# Altium PCB 28Pins_Project_V1I1_PCB - Copy.PcbDoc (part 2 of 2)
Units mm, origin at the board's own origin, x right, y up, seen from the top; angles counter-clockwise.
Board outline 68.58 x 53.34 mm, 2 copper layers (L1, L2), stack 1.671 mm thick; 105 components, 73 nets, 322 pads, 118 vias.
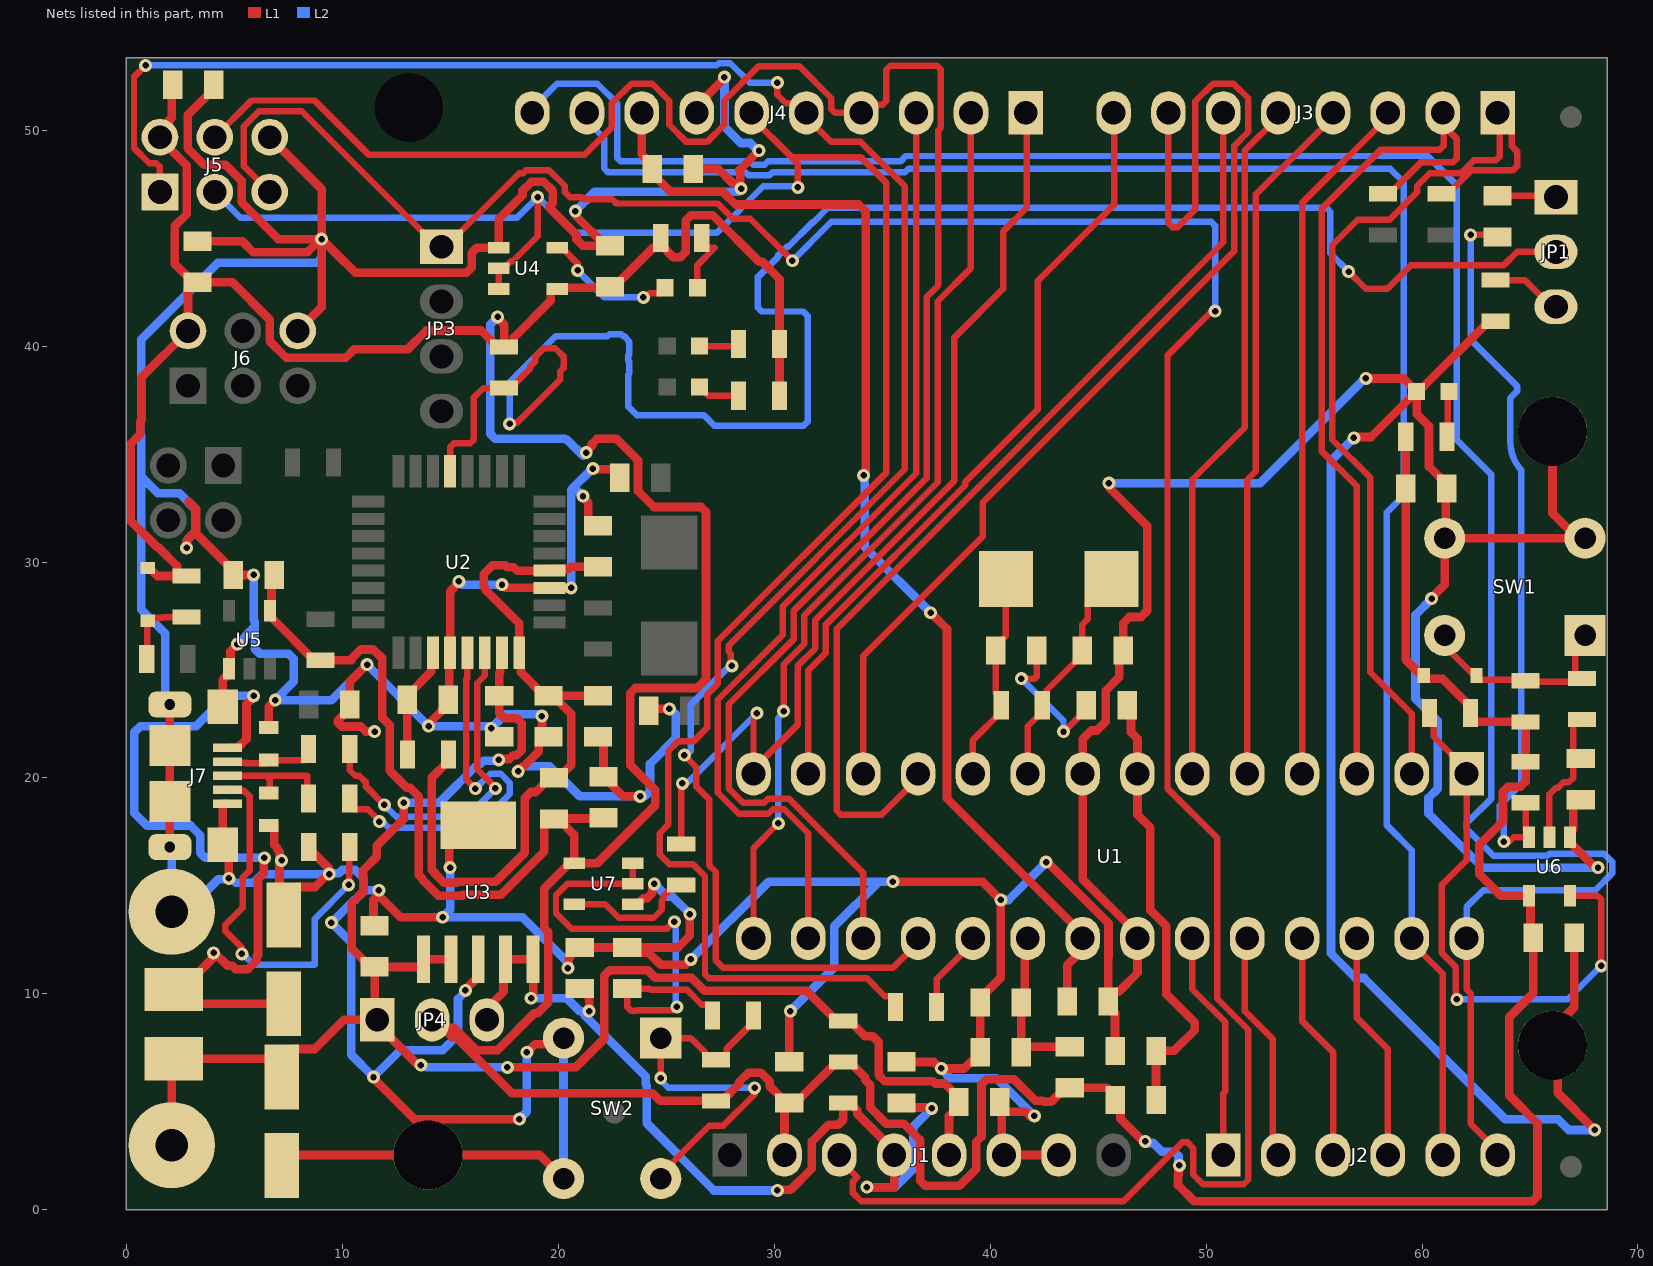
[diagram p2: the nets of this part, all layers, seen from the top]

## Via types
v1: diameter 0.6, hole 0.3, L1 to L2, 118 vias

## Nets (pads, with @x,y where several pads share a name; then routed paths per layer and width w, separated by ;. In a path a pad name is that pad's centre, name@x,y a point inside that pad or via, vN(x,y) a via of type N, cw(c..) or ccw(c..) an arc to the next point about the centre after c; other vN are vias at no path point) (continued)
16U2PROG_328P_RESETn: JP1.2 R1.1 U2.13 | length 84.9
  L1 w0.3: U2.13@15,34.2 15,35.324 15.176,35.5 15.924,35.5 16.1,35.676 16.1,37.624 16.526,38.05 17.8,38.05 18.696,38.946 18.696,39.054 18.95,39.307 18.95,39.519 19.331,39.9 19.869,39.9 20.25,39.519 20.25,38.981 20.1,38.831 20.1,38.448 18.109,36.457 17.807,36.457 v1(17.75,36.4) ; v1(56.6,43.45) 57.4,42.65 58.15,42.65 ; 58.151,42.649 58.399,42.649 59.5,43.75 63.795,43.75 64.405,44.36 JP1.2@66.2,44.36
  L2 w0.3: v1(17.75,36.4) 17.75,38.319 19.881,40.45 22.281,40.45 22.381,40.55 22.919,40.55 23.019,40.45 23.074,40.45 23.25,40.274 23.25,40.219 23.3,40.169 23.3,39.631 23.25,39.581 23.25,39.319 23.3,39.269 23.3,38.731 23.25,38.681 23.25,37.2 23.65,36.8 26.75,36.8 27.25,36.3 31.35,36.3 31.55,36.5 31.55,41.4 31.35,41.6 29.426,41.6 29.25,41.776 29.25,43.2 30.2,44.15 30.2,44.219 30.581,44.6 30.65,44.6 31.75,45.7 31.783,45.7 32.483,46.4 55.574,46.4 55.75,46.224 55.75,44.3 v1(56.6,43.45)
"328P RESETn": J1.3 J5.5 JP3.1 | length 125.9
  L1 w0.3: J5.5@6.64,47.13 6.64,47.136 5.44,48.336 5.44,50.167 6.143,50.87 8.13,50.87 14.4,44.6 JP3.1@14.6,44.6 14.8,44.6 18.2,48 18.382,48 18.532,48.15 19.568,48.15 20.3,47.418 20.3,47.131 20.531,46.9 21.069,46.9 21.169,46.8 22.5,46.8 22.7,46.6 27.393,46.6 28.093,45.9 28.9,45.9 v1(30.85,43.95) ; J1.3@33.02,2.54 33.02,2.34 33.845,1.515 33.65,1.319 33.65,0.781 34.031,0.4 46.178,0.4 48.899,3.121 49.148,3.121 49.412,2.857 49.412,1.633 49.855,1.19 51.745,1.19 51.95,1.395 51.95,8.343 50.515,9.778 50.515,17.217 48.215,19.517 48.215,39.565 50.4,41.75 50.4,41.641 v1(50.42,41.621)
  L2 w0.3: v1(30.85,43.95) 32.65,45.75 50.244,45.75 50.42,45.574 v1(50.42,41.621)
328P_16MHZ_XTAL1: C27.2 R16.1 U1.9 Y1.1 | length 10.6
  L1 w0.3: U1.9@41.745,20.193 41.745,22.395 42.418,23.068 R16.1@42.418,23.368 42.618,23.568 42.618,24.064 44.262,25.708 C27.2@44.262,25.908 44.262,27.1 44.53,27.368 44.53,28.11 Y1.1@45.63,29.21
328P_16MHZ_XTAL2: C25.2 R16.2 U1.10 Y1.2 | length 9.9
  L1 w0.3: U1.10@39.205,20.193 39.205,21.755 40.518,23.068 R16.2@40.518,23.368 40.518,23.668 40.264,23.922 C25.2@40.264,25.908 40.264,26.108 40.73,26.574 Y1.2@40.73,29.21
328P_AUTORESETn: C11.1 R18.1 U6.1 | length 33.9
  L1 w0.3: v1(62.25,45.15) 63.4,45.15 C11.1@63.5,45.05 ; v1(63.79,17.05) 63.796,17.044 64.044,17.044 64.25,17.25 U6.1@64.95,17.25 64.95,17.475 64.8,17.625 R18.1@64.8,18.85
  L2 w0.3: v1(62.25,45.15) 62.25,40.3 64.401,38.149 64.401,37.901 64.09,37.59 64.09,35.56 ccw(c66.04,35.56) 64.6,34.245 64.6,19.726 63.6,18.726 63.6,18.024 63.79,17.834 v1(63.79,17.05)
328P_BUF_RESETn: C32.1 R24.2 U6.2 | length 5.9
  L1 w0.3: U6.2@65.9,17.25 65.9,19.245 66.205,19.55 66.305,19.55 66.555,19.8 66.8,19.8 67,20 R24.2@67,22.5
328P_RESETn: R14.1 U1.1 U6.4 | length 26.7
  L1 w0.3: R14.1@60.35,23 60.55,22.8 60.55,21.908 62.065,20.393 U1.1@62.065,20.193 62.065,16.195 60.915,15.045 60.915,11.897 61.565,11.247 61.565,9.795 v1(61.61,9.75) ; U6.4@66.85,14.55 68.124,14.55 68.3,14.374 v1(68.3,11.3)
  L2 w0.3: v1(61.61,9.75) 66.75,9.75 v1(68.3,11.3)
+3V3: C13.2 C16.2 J1.4 JP4.3 R28.2 U3.4 U3.5 | length 43.7
  L1 w0.4: JP4.3@16.7,8.8 16.7,9.325 17.47,10.095 17.47,11.5 U3.4@17.57,11.6 U3.5@18.84,11.6 18.84,9.89 v1(18.75,9.8) ; C13.2@21,10.25 21.433,9.817 v1(21.433,9.2) ; v1(30.15,0.9) 30.188,0.938 30.775,0.938 31.75,1.913 31.75,3.167 32.523,3.94 32.966,3.94 33.2,4.174 R28.2@33.2,4.95 33.5,4.95 33.847,4.603 33.847,4.453 35.56,2.74 J1.4@35.56,2.54 35.56,1.05 v1(34.3,1.05) ; C16.2@35.9,4.95 36.112,4.738 37.262,4.738 v1(37.3,4.7)
  L2 w0.4: v1(18.75,9.8) 20.4,9.8 21,9.2 v1(21.433,9.2) 21.366,9.2 21.2,9.034 24.05,6.184 24.05,5.81 24.106,5.754 24.106,4.008 27.214,0.9 v1(30.15,0.9) ; v1(34.3,1.05) 35.6,1.05 36.444,1.894 36.444,3.844 v1(37.3,4.7)
+3V3_16U2_UCAP: C7.2 R26.1 U2.27 | length 5.2
  L1 w0.4: R26.1@13.02,21.082 C7.2@13.02,23.622 13.02,23.822 14.125,24.927 14.125,25.725 U2.27@14.2,25.8
+5V: C2.1 C6.2 C12.2 C14.2 J1.5 J8.1 JP4.1 L1.2 R27.1 U2.31 U3.1 U3.2 | length 80.3
  L1 w0.4: J8.1@2.1,3 2.1,6.9 L1.2@2.2,7 6.6,7 C2.1@7.2,6.4 ; C2.1@7.2,6.15 C2.1@7.2,6.4 ; v1(12.85,18.85) 12.85,18.1 11.606,16.856 11.606,16.356 10.961,15.711 10.961,15.379 11,15.34 11,14.76 10.45,14.21 10.45,12.1 11.3,11.25 C12.2@11.5,11.25 ; v1(13.646,6.7) 13.608,6.738 13.476,6.738 12.36,7.854 12.36,7.86 11.62,8.6 JP4.1@11.62,8.8 ; U3.2@15.03,11.6 U3.1@13.76,11.6 13.76,11.35 13.66,11.25 C12.2@11.5,11.25 ; v1(17.25,20.839) 17.288,20.878 17.737,20.878 17.92,21.06 18.088,21.06 18.322,21.294 18.322,22.526 18.088,22.76 17.506,22.76 17.272,22.994 C6.2@17.272,23.81 17.272,24.86 17.325,24.913 17.325,25.725 U2.31@17.4,25.8 ; v1(17.65,6.6) 20.809,6.6 22.133,7.924 22.133,10.849 22.384,11.1 24.151,11.1 24.501,10.75 26.178,10.75 26.778,10.15 31.5,10.15 32.9,8.75 33.5,8.75 34.207,8.043 34.567,8.043 34.85,7.76 34.85,6.234 35.134,5.95 37.36,5.95 37.46,5.85 37.9,5.85 38.55,5.2 38.55,4.8 38.1,4.35 J1.5@38.1,2.54 ; C2.1@7.2,6.4 7.2,6.85 7.8,7.45 8.735,7.45 10.085,8.8 JP4.1@11.62,8.8 ; C12.2@11.5,11.25 11.5,8.92 JP4.1@11.62,8.8
  L2 w0.4: v1(12.85,18.85) 14.496,18.85 16.292,20.646 16.396,20.646 16.551,20.801 17.212,20.801 v1(17.25,20.839) ; v1(13.646,6.7) 13.685,6.662 13.838,6.662 13.9,6.6 v1(17.65,6.6)
+5V/3V3: C8.1 C15.2 C17.1 C26.1 C28.1 C29.1 C30.1 C34.2 D5.1 D6.1 FB1.1 FB2.1 FB3.1 J1.2 J5.2 J6.2 JP4.2 R1.2 R2.1 R3.1 R4.2 R14.2 R15.2 R17.2 R18.2 R19.2 R20.2 R21.2 R27.2 R28.1 U4.5 U5.5 U6.5 U7.5 | length 271.4
  L1 w0.4: D5.1@1,29.719 1.063,29.719 1.433,29.35 2.35,29.35 R19.2@2.8,29.35 ; C17.1@2.15,52.1 2.11,52.06 2.11,50.572 1.56,50.022 1.56,49.594 2.81,48.344 2.81,46.114 2.25,45.554 2.25,43.8 3.1,42.95 C8.1@3.3,42.95 ; R19.2@2.5,29.35 2.35,29.5 2.35,29.812 1.482,30.68 1.432,30.68 0.2,31.912 0.2,35.46 0.65,35.91 0.65,36.49 0.7,36.54 0.7,38.54 J6.2@2.86,40.7 2.86,42.7 C8.1@3.11,42.95 ; C8.1@3.5,42.95 4.918,42.95 6.65,41.218 6.65,40.222 7.422,39.45 10.158,39.45 10.558,39.85 13.033,39.85 13.903,40.72 16.43,40.72 17.2,39.95 R1.2@17.5,39.95 ; C30.1@6.85,29.4 6.725,29.275 6.725,27.825 U5.5@6.65,27.75 6.725,27.675 6.725,27.425 8.7,25.45 10.45,25.45 10.45,25.54 10.86,25.95 11.44,25.95 11.85,25.54 11.85,22.79 12.2,22.44 12.2,20.336 12.986,19.55 13.14,19.55 13.55,19.14 13.55,15.503 13.7,15.353 13.7,15.312 14.462,14.55 15.538,14.55 15.588,14.6 17.364,14.6 19.362,16.598 19.362,17.85 19.612,18.1 FB1.1@19.812,18.1 ; JP4.2@14.16,8.8 14.265,8.695 14.521,8.439 14.714,8.439 15.164,8.439 16.203,7.4 17.199,7.4 18.899,9.1 19.04,9.1 19.54,9.6 19.54,12.866 19.35,13.056 19.35,14.875 20.45,15.975 20.675,15.975 U7.5@20.75,16.05 ; JP4.2@14.714,8.37 15.085,8 15.26,8 17.852,5.408 24.358,5.408 24.716,5.05 27.6,5.05 28.4,5.85 28.4,5.94 28.81,6.35 29.39,6.35 29.8,5.94 29.8,5.728 30.25,5.278 30.25,5.2 30.5,4.95 C15.2@30.7,4.95 ; v1(17.2,41.35) 17.2,41.296 17.5,40.996 R1.2@17.5,39.95 ; v1(21.301,35.06) 21.274,35.087 21.565,35.378 21.565,35.466 21.799,35.7 22.716,35.7 23.7,34.716 23.7,33.284 24.436,32.548 26.612,32.548 26.846,32.314 26.846,24.582 26.428,24.164 23.58,24.164 23.346,23.93 23.346,20.594 24.5,19.44 24.5,18.742 21.808,16.05 U7.5@20.75,16.05 ; C29.1@22.1,18.15 22.075,18.125 19.837,18.125 FB1.1@19.812,18.1 ; R15.2@24.75,45 R15.2@24.75,44.7 ; R3.1@30.25,37.7 R2.1@30.25,40.1 30.25,43.1 29.45,43.9 29.316,43.9 27.166,46.05 26.134,46.05 25.9,45.816 25.9,44.35 25.666,44.116 25.334,44.116 R15.2@24.75,44.7 ; J1.2@30.48,2.54 30.48,4.73 C15.2@30.7,4.95 ; v1(47.185,3.175) 47.077,3.175 46.036,4.216 46.036,4.83 FB2.1@45.786,5.08 45.786,5.28 45.412,5.654 43.488,5.654 42.838,5.004 42.491,5.004 42.445,5.05 42.099,5.05 41.099,6.05 39.834,6.05 39.6,5.816 39.6,3.397 39.366,3.163 39.366,1.909 38.58,1.123 36.994,1.123 36.76,1.357 36.76,3.237 36.01,3.987 35.197,3.987 34.447,4.737 34.447,5.789 34.216,6.02 34.216,6.134 33.5,6.85 32.9,6.85 31.25,5.2 30.95,5.2 C15.2@30.7,4.95 ; v1(48.762,2.065) 48.724,2.027 48.724,1.623 48.7,1.599 48.7,1.15 49.45,0.4 65.116,0.4 65.35,0.634 65.35,4.003 64.04,5.313 64.04,8.916 65.15,10.026 C28.1@65.15,12.6 65.025,12.725 65.025,14.475 U6.5@64.95,14.55 63.65,14.55 62.65,15.55 62.65,16.9 63.75,18 63.75,19.366 63.984,19.6 64.566,19.6 64.8,19.834 R18.2@64.8,20.75 R20.2@64.8,22.6 62.4,22.6 62.25,22.75 R14.2@62.25,23 62.25,23.3 60.95,24.6 60.062,24.6 60.062,24.664 59.25,25.475 R17.2@59.25,35.8 ; R1.2@17.5,39.95 17.8,39.95 17.95,40.1 17.95,40.4 19.65,42.1 19.65,42.575 19.725,42.65 U4.5@19.95,42.65 20,42.7 22.35,42.7 C26.1@22.4,42.75 22.6,42.75 24.4,44.55 24.6,44.55 R15.2@24.75,44.7 ; FB1.1@19.812,18.1 20.012,18.1 20.75,17.362 U7.5@20.75,16.05
  L2 w0.4: v1(17.2,41.35) 16.85,41 16.85,35.934 17.084,35.7 20.3,35.7 20.346,35.654 20.421,35.654 21.157,34.917 v1(21.301,35.06) ; v1(47.185,3.175) 47.26,3.1 47.55,3.1 47.962,2.688 48.528,2.688 48.724,2.492 48.724,2.103 v1(48.762,2.065)
+5V/3V3_16U2: C3.2 C4.2 C5.2 FB1.2 R26.2 U2.4 U2.32 | length 34.6
  L1 w0.4: R26.2@14.92,21.082 14.92,20.782 14.15,20.012 14.15,15.751 14.3,15.601 14.3,15.56 14.71,15.15 15.29,15.15 15.34,15.2 17.116,15.2 18.45,16.534 18.45,19.066 18.733,19.349 18.961,19.349 19.612,20 20.012,20 20.608,20.596 20.608,22.96 C4.2@19.758,23.81 ; C3.2@21.844,23.81 C4.2@19.758,23.81 ; C5.2@21.844,29.784 20.594,29.784 20.485,29.675 19.675,29.675 U2.4@19.6,29.6 18.101,29.6 17.951,29.75 17.64,29.75 17.54,29.85 16.96,29.85 16.55,29.44 16.55,28.86 16.65,28.76 16.65,28.7 18.2,27.15 U2.32@18.2,25.8 18.275,25.725 18.275,24.893 19.358,23.81 C4.2@19.558,23.81 C4.2@19.758,23.81
+5V/3V3_328P_AVCC: C22.2 C23.2 FB3.2 U1.20 | length 7.7
  L1 w0.4: C22.2@41.45,7.3 C22.2@41.45,7.304 ; U1.20@41.745,12.573 41.598,12.426 41.598,9.747 C23.2@41.45,9.6 C22.2@41.45,7.304 ; FB3.2@43.688,7.554 41.7,7.554 C22.2@41.45,7.304
+5V/3V3_328P_VCC: C19.2 C20.2 FB2.2 U1.7 | length 20.8
  L1 w0.4: C20.2@46.35,23.368 46.527,23.191 46.527,22.118 46.825,21.82 46.825,18.302 47.425,17.702 47.425,13.87 48.165,13.13 48.165,9.985 49.484,8.666 49.484,8.334 48.516,7.366 C19.2@47.686,7.366 FB2.2@47.686,5.08
+5V_USB: C1.1 J7.1 L1.1 | length 35.9
  L1 w0.4: J7.1@4.694,21.4 5.169,21.4 5.569,21.8 5.569,23.415 5.9,23.746 v1(5.9,23.8) ; v1(6.4,16.3) 6.362,16.262 6.362,15.577 6.1,15.316 6.1,11.822 6.05,11.772 6.05,11.56 5.64,11.15 5.06,11.15 4.91,11.3 4.704,11.3 4.104,11.9 v1(4.05,11.9) 4.05,11.7 2.55,10.2 L1.1@2.2,10.2 2.85,9.55 C1.1@7.3,9.55
  L2 w0.4: v1(5.9,23.8) 4.629,23.8 3.229,22.4 0.66,22.4 0.375,22.116 0.375,18.375 0.95,17.8 2.974,17.8 3.42,17.355 3.42,16.534 3.654,16.3 v1(6.4,16.3)
+AREF: C21.2 C24.2 J4.8 U1.21 | length 54.7
  L1 w0.4: J4.8@23.876,50.8 23.876,48.874 24.35,48.4 24.35,48 25.2,47.15 27.621,47.15 28.216,46.556 33.91,46.556 34.25,46.216 34.25,34.119 v1(34.141,34.009) ; v1(37.25,27.65) 38.005,26.895 38.005,19.053 44.285,12.773 U1.21@44.285,12.573 44.285,12.048 43.566,11.329 C24.2@43.566,9.652
  L2 w0.4: v1(34.141,34.009) 34.179,33.971 34.179,33.737 34.2,33.716 34.2,30.7 v1(37.25,27.65)
AD0: J2.1 U1.23 | length 10.7
  L1 w0.3: U1.23@49.365,12.573 49.365,10.221 50.9,8.686 50.9,5.495 50.8,5.395 J2.1@50.8,2.54
AD1: J2.2 U1.24 | length 10.7
  L1 w0.3: U1.24@51.905,12.573 51.8,12.468 51.8,9.2 53.1,7.9 53.1,2.78 J2.2@53.34,2.54
AD2: J2.3 U1.25 | length 10.6
  L1 w0.3: U1.25@54.445,12.573 54.445,8.745 55.88,7.31 J2.3@55.88,2.54
AD3: J2.4 U1.26 | length 10.6
  L1 w0.3: U1.26@56.985,12.573 56.985,8.885 58.42,7.45 J2.4@58.42,2.54
AD4/SDA: J2.5 J4.9 U1.27 | length 87.1
  L1 w0.3: J4.9@21.336,50.6 J4.9@21.336,50.8 ; U1.27@59.525,12.573 59.525,12.373 60.96,10.938 J2.5@60.96,2.54
  L2 w0.3: J4.9@21.336,50.8 21.336,50.421 22.13,49.626 22.13,48.226 22.306,48.05 28.674,48.05 28.824,47.9 29.776,47.9 29.926,48.05 36.057,48.05 36.207,48.2 58.531,48.2 59.15,47.581 59.15,33.079 58.375,32.304 58.375,17.801 59.525,16.651 U1.27@59.525,12.573
AD5/SCL: J2.6 J4.10 U1.28 | length 105.6
  L1 w0.3: U1.28@62.065,12.573 62.065,10.214 62.26,10.019 62.26,3.98 63.5,2.74 J2.6@63.5,2.54
  L2 w0.3: J4.10@18.796,50.8 18.796,51 19.946,52.15 21.812,52.15 22.726,51.236 22.726,48.726 22.902,48.55 28.881,48.55 29.031,48.4 29.569,48.4 29.719,48.55 35.85,48.55 36.1,48.8 60.257,48.8 61.6,47.457 61.6,35.659 63.215,34.044 63.215,19.048 62.065,17.898 62.065,17.65 63.315,16.4 65.817,16.4 65.917,16.5 68.419,16.5 68.8,16.119 68.8,15.581 68.021,14.802 62.844,14.802 62.065,14.023 U1.28@62.065,12.573
BUTTON_RESETn: D6.2 R20.1 R24.1 SW1.1 SW1.2 | length 8.8
  L1 w0.3: SW1.2@61.05,26.25 61.05,26.113 62.5,24.664 62.5,24.6 62.55,24.55 64.75,24.55 R20.1@64.8,24.5 64.85,24.45 66.95,24.45 67.1,24.6 67.1,25.8 SW1.1@67.55,26.25
CON_USB_N: J7.2 R6.1 Z1.2 | length 4.2
  L1 w0.3: J7.2@4.694,20.75 4.744,20.7 5.53,20.7 5.542,20.688 6.464,20.688 Z1.2@6.604,20.828 8.24,20.828 8.448,21.036 R6.1@8.448,21.336
CON_USB_P: J7.3 R7.1 Z2.2 | length 5.9
  L1 w0.3: J7.3@4.722,20.127 J7.3@4.694,20.1 6.474,20.1 ; Z2.2@6.393,19.419 Z2.2@6.639,19.419 ; Z2.2@6.604,19.304 6.65,19.35 6.65,19.924 6.474,20.1 ; R7.1@8.448,19.05 8.374,19.124 8.374,20.1 6.474,20.1
GND: C1.2 C2.2 C3.1 C4.1 C5.1 C6.1 C7.1 C8.2 C9.1 C10.1 C12.1 C13.1 C14.1 C15.1 C16.1 C17.2 C19.1 C21.1 C22.1 C23.1 C24.1 C26.2 C27.1 C28.2 C29.2 C30.2 C31.2 C32.2 C33.2 C34.1 D1.1 J1.6 J1.7 J4.7 J5.6 J6.6 J7.5 J7.6 J7.7 J7.8 J7.9 J7.10 J7.11 J9.1 MH1.1 MH2.1 MH3.1 R8.2 R12.1 SW1.3 SW1.4 SW2.3 SW2.4 U1.8 U1.22 U2.3 U2.28 U3.3 U3.6 U4.3 U5.3 U6.3 U7.3 Z1.1 Z2.1 | length 514.7
  L1 w0.4: J7.9@2.02,16.8 J7.11@2.02,18.9 J7.10@2.02,21.5 J7.8@2.02,23.4 ; v1(2.8,30.65) 2.8,31.012 3.2,31.412 3.2,32.448 2.898,32.75 2.898,32.8 3.245,32.453 3.24,32.448 3.24,31.31 4.35,30.2 4.95,29.6 C30.2@4.95,29.4 v1(5.9,29.4) ; C8.2@3.3,44.85 5.375,44.85 5.875,44.35 8.396,44.35 v1@8.996,44.95 ; C17.2@4.05,52.1 4.05,51.9 2.85,50.7 2.85,49.152 3.615,48.387 4.611,48.387 5.35,47.648 5.35,46.652 7.052,44.95 v1@8.996,44.95 ; J7.6@4.469,23.3 4.469,24.544 4.75,24.825 U5.3@4.75,25.05 4.825,25.125 4.825,25.875 v1(5.15,26.2) ; J7.5@4.694,18.8 4.469,18.8 J7.7@4.469,16.9 4.75,16.619 v1(4.75,15.35) ; Z1.1@6.521,22.411 Z1.1@6.604,22.328 6.604,23.304 v1(6.9,23.6) ; Z2.1@6.604,17.804 6.754,17.804 6.854,17.704 6.854,16.904 7,16.758 7,16.69 7.1,16.59 v1@7.1,16.187 ; J5.6@6.64,49.67 9.05,47.26 v1(9.05,44.95) ; v1(7.192,16.187) v1@7.1,16.187 ; C2.2@7.2,2.05 7.69,2.54 MH1.1@13.97,2.54 19.148,2.54 20.238,1.45 SW2.3@20.25,1.45 ; J6.6@7.94,40.7 9.05,41.81 v1(9.05,44.95) ; R8.2@8.45,16.8 8.45,16.75 9.4,15.8 v1(9.4,15.55) 9.346,15.55 8.746,14.95 7.9,14.95 7.3,14.35 C1.2@7.3,13.65 7.1,13.85 v1@7.1,16.187 ; v1(11.15,25.25) 10.35,24.45 C31.2@10.35,23.4 10.35,23.2 9.8,22.65 9.8,22.567 9.981,22.386 10.864,22.386 11.1,22.15 v1(11.5,22.15) ; v1(11.45,6.15) 11.45,6.1 13.35,4.2 v1(18.2,4.2) ; C12.1@11.5,13.15 11.45,13.2 11.45,14.362 11.6,14.512 11.6,14.7 v1(11.7,14.8) ; v1@11.6,14.65 12.7,13.55 v1(14.65,13.55) ; v1(14,22.4) 14.038,22.438 14.038,22.54 14.96,23.462 14.96,25.76 U2.28@15,25.8 15,28.646 15.4,29.046 v1(15.4,29.1) ; v1(15,15.85) 14.95,15.9 14.95,16.9 15.85,17.8 U3.6@16.3,17.8 ; v1(15.7,10.164) 15.7,10.2 16.3,10.8 U3.3@16.3,11.6 ; v1(17.4,28.95) 17.55,28.8 U2.3@19.6,28.8 v1(20.6,28.8) ; v1@18.15,20.442 v1(18.15,20.3) 18.176,20.3 19.108,21.232 19.108,21.66 19.358,21.91 C4.1@19.5,21.91 ; v1(18.55,7.3) 18.913,7.663 19.963,7.663 SW2.4@20.25,7.95 ; v1(19.25,22.86) 19.25,22.16 C4.1@19.5,21.91 ; C4.1@19.368,21.72 C4.1@19.558,21.91 C4.1@19.5,21.91 ; v1(20.45,11.2) 20.488,11.238 20.488,11.638 20.55,11.7 20.55,11.9 20.8,12.15 C13.1@21,12.15 C33.2@23.2,12.15 ; v1(20.8,46.25) 20.8,46.05 C26.2@22.2,44.65 ; v1(21.15,33.05) 21.15,32.996 21.394,32.752 21.394,31.934 21.644,31.684 C5.1@21.844,31.684 ; v1(21.609,34.322) 21.609,34.3 22.6,34.3 22.85,34.05 C9.1@22.85,33.9 ; C3.1@21.844,21.91 21.85,21.91 22.1,21.66 C29.2@22.1,20.05 23,19.15 v1(23.8,19.15) ; C26.2@22.4,44.65 C26.2@22.2,44.65 ; U7.3@23.45,14.15 23.675,14.15 23.95,14.425 24.116,14.425 24.35,14.659 24.35,14.946 24.45,15.046 v1(24.45,15.1) ; C10.1@24.196,23.114 24.282,23.2 v1(25.146,23.2) ; v1(26.1,13.7) 26.1,12.7 25.55,12.15 C33.2@23.2,12.15 ; v1(26.15,11.6) 25.9,11.35 24.75,11.35 24.2,11.9 23.45,11.9 C33.2@23.2,12.15 ; C21.1@26.25,48.2 27.42,48.2 28.081,47.538 28.169,47.538 ; J4.7@26.416,50.8 26.416,51.112 27.7,52.396 v1(27.7,52.45) ; v1@28.433,47.34 28.433,48.117 28.4,48.15 v1(29.3,49.05) ; C15.1@30.7,6.85 30.7,9.15 v1(30.75,9.2) ; v1(35.5,15.2) 39.65,15.2 v1(40.5,14.35) 40.5,10.75 39.55,9.8 C23.1@39.55,9.6 C22.1@39.55,7.3 39.55,7.1 39.3,6.85 39.1,6.85 38.8,6.55 v1(37.75,6.55) 37.696,6.55 37.396,6.85 C16.1@35.9,6.85 ; C14.1@40.45,5 40.45,4.8 C14.1@40.545,4.705 ; v1(42.05,4.35) 41.85,4.35 41.65,4.55 40.7,4.55 C14.1@40.545,4.705 ; v1(42.6,16.1) 42.655,16.1 45.485,13.27 45.485,11.696 45.466,11.677 C24.1@45.466,9.852 ; J1.7@43.18,2.54 J1.6@40.64,2.54 40.545,2.635 C14.1@40.545,4.705 ; v1(45.5,33.65) 45.55,33.6 45.55,33.4 47.28,31.67 47.28,27.744 46.987,27.451 46.455,27.451 46.162,27.158 C27.1@46.162,25.908 45.974,25.72 45.974,24.658 45.349,24.032 45.349,22.601 44.945,22.197 44.689,22.197 44.285,21.793 U1.8@44.285,20.193 44.285,15.313 46.825,12.773 U1.22@46.825,12.573 46.825,10.973 45.954,10.102 45.716,10.102 C24.1@45.466,9.852 ; C19.1@45.786,7.366 45.786,9.132 45.466,9.452 C24.1@45.466,9.652 C24.1@45.466,9.852 ; v1(56.85,35.75) 56.888,35.788 57.638,35.788 D1.1@59.75,37.9 ; v1(57.4,38.5) 59.15,38.5 D1.1@59.75,37.9 ; v1(60.45,28.3) 60.45,28.354 61.05,28.954 61.05,30.75 61.1,30.8 SW1.3@61.1,31.1 ; SW1.3@61.05,31.1 SW1.3@61.1,31.1 ; R12.1@63.4,41.15 63.1,41.15 60.05,38.1 59.95,38.1 D1.1@59.75,37.9 ; MH3.1@66.04,35.56 66.04,32.26 SW1.4@67.2,31.1 ; C32.2@67,18.75 67,17.625 66.85,17.475 U6.3@66.85,17.25 66.85,17.025 67.975,15.9 68.15,15.9 v1(68.15,15.85) ; C28.2@67.05,12.6 67.05,9.388 66.04,8.378 MH2.1@66.04,7.62 66.28,7.38 66.28,5.42 v1(68,3.7) ; SW1.4@67.55,31.1 SW1.4@67.2,31.1 ; v1@8.996,44.95 v1(9.05,44.95) ; v1(9.05,44.95) 9.7,44.3 10.6,43.4 15.766,43.4 16,43.634 16,44.316 16.234,44.55 U4.3@17.25,44.55 17.25,45.878 18.35,46.978 18.35,47.19 18.76,47.6 19.34,47.6 19.75,47.19 19.75,46.61 19.6,46.46 19.6,46.401 20.85,45.151 20.85,44.95 21.15,44.65 C26.2@22.2,44.65 ; D1.1@59.75,37.9 59.75,36.866 60.325,36.291 60.325,34.425 61.15,33.6 C34.1@61.15,33.4 61.1,33.35 SW1.3@61.1,31.1 ; SW1.3@61.1,31.1 SW1.4@67.2,31.1
  L2 w0.4: J7.9@2.02,16.8 2.1,16.719 J9.1@2.1,13.8 2.754,13.8 4.265,15.312 4.712,15.312 v1(4.75,15.35) ; J7.8@2.02,23.4 1.8,23.62 1.8,26.7 0.7,27.8 0.7,33.952 ; v1(2.8,30.65) 2.8,31.012 3.2,31.412 3.2,32.448 2.468,33.18 1.472,33.18 0.7,33.952 ; 5.076,15.15 5.9,15.15 6.3,15.55 v1(9.4,15.55) 9.438,15.588 9.848,15.588 10.01,15.75 10.59,15.75 11,15.34 11,14.76 10.59,14.35 10.55,14.35 v1(9.5,13.3) 10.42,12.38 10.42,7.18 v1(11.45,6.15) 12.7,7.4 13.663,7.4 14.657,7.4 15.36,8.103 15.36,9.77 15.7,10.11 v1(15.7,10.164) ; v1(5.15,26.2) 5.9,26.95 ; v1(5.9,29.4) 5.9,27.3 5.95,27.25 5.95,25.984 6.184,25.75 7.516,25.75 7.75,25.516 7.75,24.45 v1(6.9,23.6) 9.5,23.6 v1(11.15,25.25) v1(14,22.4) 16.746,22.4 16.846,22.3 v1(16.9,22.3) 17.55,22.95 19.15,22.95 19.2,22.9 19.21,22.9 v1(19.25,22.86) ; v1(7.192,16.187) v1@7.192,16.2 ; v1(9.05,44.95) 9.05,44.084 8.816,43.85 4.242,43.85 0.7,40.308 0.7,36.54 0.65,36.49 0.65,35.91 0.7,35.86 0.7,33.952 ; 11,14.8 v1(11.7,14.8) ; v1(15,15.85) 15,13.9 v1(14.65,13.55) 18.35,13.55 20.45,11.45 v1(20.45,11.2) ; v1(15.4,29.1) 15.55,28.95 v1(17.4,28.95) ; v1(18.15,20.3) 18.4,20.55 19.6,20.55 21,19.15 v1(23.8,19.15) 24.016,19.15 24.25,19.384 24.25,20.65 25.45,21.85 25.45,22.966 25.434,22.966 25.2,23.2 v1(25.146,23.2) ; v1(18.2,4.2) 18.55,4.55 v1(18.55,7.3) ; SW2.3@20.25,1.45 SW2.4@20.25,7.95 ; v1(20.6,28.8) 20.6,33.35 ; v1(20.8,46.25) 21.7,47.15 28.331,47.15 v1(28.471,47.29) ; v1(21.15,33.05) 20.85,33.35 20.6,33.35 ; v1(21.609,34.322) 21.572,34.322 21.55,34.3 20.6,33.35 ; v1(24.45,15.1) 25.05,14.5 25.3,14.5 v1(26.1,13.7) ; v1(26.15,11.6) 29.75,15.2 v1(35.5,15.2) ; v1(27.7,52.45) 27.7,50.159 28.459,49.4 28.896,49.4 29.246,49.05 v1(29.3,49.05) ; v1(30.75,9.2) 32.785,11.235 32.785,13.13 34.817,15.162 ; v1(37.75,6.55) 37.75,6.5 38.15,6.1 40.3,6.1 v1(42.05,4.35) ; v1(40.5,14.35) 40.85,14.35 v1(42.6,16.1) ; v1(45.5,33.65) 52.5,33.65 57.3,38.45 57.35,38.45 v1(57.4,38.5) ; v1(56.85,35.75) 55.785,34.685 55.785,11.876 56.923,10.738 57.312,10.738 63.85,4.2 66.3,4.2 66.8,3.7 v1(68,3.7) ; v1(60.45,28.3) 59.7,27.55 59.7,23.665 60.725,22.64 60.725,19.496 60.3,19.071 60.3,18.35 62.8,15.85 v1(68.15,15.85)
IO0: J3.1 R10.2 U1.2 | length 44.4
  L1 w0.3: U1.2@59.525,20.193 59.525,22.975 57.6,24.9 57.6,33.91 55.85,35.66 55.85,44.669 57.031,45.85 58.495,45.85 59.778,47.133 59.778,47.422 60.355,48 61.807,48 62.407,48.6 63.424,48.6 63.6,48.776 J3.1@63.6,50.7 ; R10.2@60.9,47.05 61.2,47.05 62.3,48.15 64.224,48.15 64.4,48.326 64.4,49.013 64.15,49.263 64.15,50.15 J3.1@63.6,50.7 ; J3.1@63.5,50.8 J3.1@63.6,50.7
IO1: J3.2 R11.2 U1.3 | length 41.1
  L1 w0.3: U1.3@56.985,20.193 56.985,33.504 55.35,35.139 55.35,46.35 58.1,49.1 60.824,49.1 61,49.276 J3.2@61,50.208 ; R11.2@58.2,47.05 58.5,47.05 59.95,48.5 61.424,48.5 61.6,48.676 61.6,49.608 J3.2@61,50.208 ; J3.2@60.96,50.8 60.96,50.248 J3.2@61,50.208
IO2: J3.3 U1.4 | length 32.3
  L1 w0.3: U1.4@54.445,20.193 54.445,46.625 58.42,50.6 J3.3@58.42,50.8
IO3: J3.4 U1.5 | length 32.3
  L1 w0.3: U1.5@51.905,20.193 51.905,33.809 52.3,34.204 52.3,47.02 55.88,50.6 J3.4@55.88,50.8
IO4: J3.5 U1.6 | length 32.3
  L1 w0.3: U1.6@49.365,20.193 49.365,33.809 51.8,36.244 51.8,49.06 53.34,50.6 J3.5@53.34,50.8
IO5: J3.6 U1.11 | length 44.5
  L1 w0.3: U1.11@36.665,20.193 36.665,19.993 34.972,18.3 33.076,18.3 32.9,18.476 32.9,26.9 50.8,44.8 J3.6@50.8,50.8
IO6: J3.7 U1.12 | length 53.5
  L1 w0.3: U1.12@34.125,20.193 34.125,25.65 39.65,31.175 39.65,32.75 51.3,44.4 51.3,49.267 51.95,49.917 51.95,51.476 51.276,52.15 50.324,52.15 49.504,51.33 49.504,46.324 48.684,45.504 48.436,45.504 48.26,45.68 J3.7@48.26,50.8
IO7: J3.8 U1.13 | length 36.5
  L1 w0.3: U1.13@31.585,20.193 31.585,24.978 32.4,25.793 32.4,27.107 38.85,33.557 38.85,33.7 42.2,37.05 42.2,43 45.75,46.55 45.75,50.77 J3.8@45.72,50.8
IO8: J4.1 R22.2 U1.14 | length 46.1
  L1 w0.3: R22.2@25.7,16.95 25.7,19.7 v1(25.75,19.75) ; U1.14@29.045,20.193 U1.14@29.045,20.415 ; v1(29.2,23) 29.2,22.919 29.045,22.764 U1.14@29.045,20.415 ; J4.1@41.656,50.8 41.7,50.756 41.7,46.4 40.6,45.3 40.6,42.65 38.35,40.4 38.35,33.764 31.9,27.314 31.9,26 31.085,25.185 31.085,22.455 U1.14@29.045,20.415
  L2 w0.3: v1(25.75,19.75) 25.807,19.807 26.007,19.807 v1(29.2,23)
IO9: J4.2 U1.15 | length 42.4
  L1 w0.3: U1.15@29.045,12.573 29.045,16.745 30.198,17.898 v1(30.202,17.898) ; v1(30.435,23.096) 30.435,25.242 31.4,26.207 31.4,27.521 37.576,33.697 37.576,42.076 39.116,43.616 J4.2@39.116,50.8
  L2 w0.3: v1(30.202,17.898) 30.195,17.905 30.195,22.775 30.435,23.015 v1(30.435,23.096)
MISO: J4.5 J5.1 U1.18 | length 95.9
  L1 w0.3: v1(0.9,53) 0.36,52.46 0.36,49.173 1.063,48.47 1.384,48.47 1.56,48.294 J5.1@1.56,47.13 ; v1(25.84,21.06) 26.4,20.5 26.4,19.603 27,19.003 27,15.952 27.3,15.652 27.3,11.55 27.627,11.223 35.515,11.223 36.665,12.373 U1.18@36.665,12.573 ; v1(28.046,25.187) 27.989,25.244 27.989,25.746 27.896,25.839 27.896,26.139 36.05,34.293 36.05,47.407 34.007,49.45 32.646,49.45 31.496,50.6 J4.5@31.496,50.8 31.047,51.249 30.532,51.249 30.15,51.631 v1(30.15,52.2)
  L2 w0.3: v1(0.9,53) 19.3,53 27.331,53 27.431,53.1 27.969,53.1 28.869,52.2 v1(30.15,52.2) ; v1(25.84,21.06) 25.922,21.06 26.097,21.235 26.15,21.235 26.15,23.4 27.75,25 27.778,25 27.965,25.187 v1(28.046,25.187)
MOSI: J4.4 J5.4 U1.17 | length 92.7
  L1 w0.3: J5.4@4.1,49.67 5.8,51.37 8.717,51.37 11.237,48.85 21.212,48.85 22.486,50.124 22.486,51.236 23.4,52.15 24.352,52.15 25.146,51.356 25.146,50.244 25.94,49.45 26.892,49.45 27.686,50.244 27.686,51.356 29.28,52.95 31.172,52.95 32.646,51.476 32.646,50.976 32.822,50.8 J4.4@34.036,50.8 34.416,51.18 35.024,51.18 35.2,51.355 35.2,52.8 35.376,52.976 37.55,52.976 37.726,52.8 37.726,50.124 37.6,49.998 37.6,42.807 37.076,42.283 37.076,33.904 30.9,27.728 30.9,26.414 27.896,23.41 27.896,21.464 27.895,21.463 27.895,19.517 28.569,18.843 29.521,18.843 29.726,19.048 30.679,19.048 34.125,15.601 U1.17@34.125,12.573
NetC11_2: C11.2 JP1.1 | length 2.7
  L1 w0.3: C11.2@63.5,46.95 66.15,46.95 JP1.1@66.2,46.9
NetC20_1: C20.1 C25.1 | length 6.9
  L1 w0.3: v1(41.45,24.6) 42.078,24.6 42.164,24.686 C25.1@42.164,25.908 ; v1(43.4,22.15) 43.432,22.15 44.45,23.168 C20.1@44.45,23.368
  L2 w0.3: v1(41.45,24.6) 43.4,22.65 v1(43.4,22.15)
NetD1_2: D1.2 R17.1 | length 2.1
  L1 w0.3: R17.1@61.15,35.8 61.2,35.85 61.2,37.85 D1.2@61.25,37.9
NetD2_1: D2.1 U4.4 | length 6.3
  L1 w0.3: U4.4@19.95,44.55 20.175,44.55 20.9,43.825 v1(20.9,43.5) ; v1(23.95,42.25) 24.031,42.25 24.231,42.45 24.7,42.45 D2.1@24.95,42.7
  L2 w0.3: v1(20.9,43.5) 22.15,42.25 v1(23.95,42.25)
NetD2_2: D2.2 R15.1 | length 3.1
  L1 w0.3: D2.2@26.45,42.7 26.45,43.75 27.25,44.55 26.85,44.55 26.65,44.75 R15.1@26.65,45
NetD3_2: D3.2 R2.2 | length 1.8
  L1 w0.3: D3.2@26.55,40 28.25,40 R2.2@28.35,40.1
NetD4_2: D4.2 R3.2 | length 2
  L1 w0.3: D4.2@26.55,38.1 26.95,37.7 R3.2@28.35,37.7
NetD5_2: D5.2 R19.1 R23.1 | length 3.7
  L1 w0.3: R23.1@0.95,25.5 0.975,25.525 0.975,27.256 D5.2@1,27.281 1.129,27.41 1.66,27.41 1.7,27.45 R19.1@2.8,27.45
NetJ7_4: J7.4 R8.1 | length 19.3
  L1 w0.3: J7.4@4.644,19.5 J7.4@4.694,19.45 4.744,19.4 5.464,19.4 5.719,19.145 5.719,15.713 5.4,15.393 5.4,14 4.574,13.174 4.574,12.926 5.35,12.15 v1(5.35,11.85) ; v1(10.3,15.05) 10.325,15.075 10.325,16.775 R8.1@10.35,16.8 R8.1@10.35,17.1
  L2 w0.3: v1(5.35,11.85) 5.411,11.85 5.911,11.35 8.724,11.35 8.724,13.474 v1(10.3,15.05)
NetJP1_3: JP1.3 R12.2 | length 3.3
  L1 w0.3: R12.2@63.4,43.05 64.77,43.05 66,41.82 JP1.3@66.2,41.82
NetR22_1: R22.1 U7.4 | length 6.2
  L1 w0.3: U7.4@20.75,14.15 22.18,14.15 22.805,13.525 24.425,13.525 24.8,13.9 24.8,14.332 24.9,14.431 24.9,14.55 25.4,15.05 R22.1@25.7,15.05
SCK: J4.6 J5.3 R13.2 U4.1 U4.2 | length 96.5
  L1 w0.3: U4.1@17.25,42.65 U4.2@17.25,43.6 17.475,43.6 17.8,43.925 17.895,43.925 19.05,45.08 v1(19.05,46.9) ; J4.6@28.956,50.8 28.956,50.6 30.806,48.75 ; v1(31.1,47.35) 31.1,48.456 30.806,48.75 ; R13.2@35.626,9.398 35.626,9.698 35.426,9.898 35.126,9.898 34.301,10.723 26.983,10.723 26.8,10.906 26.8,15.445 26.245,16 25.155,16 24.7,16.455 24.7,17.445 25.1,17.845 25.1,21.238 25.571,21.71 26.287,21.71 26.896,22.319 26.896,23.855 27.396,24.355 27.396,26.346 35.2,34.15 35.2,47.55 34,48.75 30.806,48.75
  L2 w0.3: J5.3@4.1,47.13 5.3,45.93 18.08,45.93 v1(19.05,46.9) 20.7,45.25 27.35,45.25 29.5,47.4 31.05,47.4 v1(31.1,47.35)
SCK_R: R13.1 U1.19 | length 3.9
  L1 w0.3: R13.1@37.526,9.398 37.526,10.694 39.205,12.373 U1.19@39.205,12.573
SS: J4.3 U1.16 | length 45.3
  L1 w0.3: U1.16@31.585,12.573 31.585,17.434 30.472,18.548 29.933,18.548 29.728,18.343 28.362,18.343 27.395,19.31 27.395,21.67 27.396,21.671 27.396,23.617 30.4,26.621 30.4,27.936 36.576,34.112 J4.3@36.576,50.8
USB_N: R6.2 U2.30 | length 16.1
  L1 w0.3: R6.2@10.348,21.336 10.348,20.352 10.602,20.098 10.795,20.098 11.1,19.793 11.1,19.6 v1(11.95,18.75) ; U2.30@16.6,25.8 16.6,24.733 16.25,24.383 16.25,20.409 17.096,19.563 v1(17.096,19.516)
  L2 w0.3: v1(11.95,18.75) 12.5,18.2 15.78,18.2 v1(17.096,19.516)
USB_P: R7.2 U2.29 | length 18
  L1 w0.3: R7.2@10.348,19.05 10.348,18.75 10.548,18.55 11.189,18.55 11.699,18.04 11.723,18.04 v1(11.723,17.983) ; U2.29@15.8,25.8 15.8,24.64 15.75,24.59 15.75,19.926 v1(16.168,19.508)
  L2 w0.3: v1(11.723,17.983) 11.74,18 11.74,18.04 11.822,18.04 12.162,17.7 16.199,17.7 17.769,19.27 17.769,19.761 17.341,20.189 16.85,20.189 v1(16.168,19.508)
USER_BUTTON: R21.1 R25.1 SW2.1 SW2.2 | length 18.8
  L1 w0.3: SW2.2@24.75,1.45 24.75,1.645 26.995,3.89 27.635,3.89 29.1,5.355 v1(29.1,5.65) ; v1(24.75,6.1) SW2.1@24.75,7.95 26.15,7.95 26.8,7.3 26.8,7.15 27,6.95 R21.1@27.3,6.95 27.6,6.95 27.8,7.15 27.8,7.45 29.05,8.7 R25.1@29.05,9
  L2 w0.3: v1(24.75,6.1) 24.75,6 25.1,5.65 v1(29.1,5.65)
USER_BUTTON_BUF: C33.1 R25.2 U7.1 U7.2 | length 23.4
  L1 w0.3: U7.1@23.45,16.05 U7.2@23.45,15.1 20.43,15.1 19.9,14.57 19.9,13.73 20.605,13.025 25.044,13.025 25.369,13.35 25.384,13.35 v1(25.384,13.342) ; v1(25.5,9.4) 25.35,9.25 23.655,9.25 23.624,9.219 23.376,9.219 23.2,9.395 C33.1@23.2,10.25 24.224,10.25 24.274,10.2 25.95,10.2 26.65,9.5 26.95,9.5 27.15,9.3 R25.2@27.15,9
  L2 w0.3: v1(25.384,13.342) 25.392,13.342 25.4,13.35 25.45,13.3 25.45,9.45 v1(25.5,9.4)
pads on no net: FID2.1 FID3.1 FID4.1 J1.1 J1.8 MH4.1 U2.5 U2.6 U2.7 U2.12 U2.14 U2.22 U2.23 U2.25 U2.26

## Text inside footprints (layer, text, board x,y; h text height)
J1: Top Overlay "1" at 28.702,0.254 h1.52 r90
J2: Top Overlay "1" at 51.562,0.254 h1.52 r90
J3: Top Overlay "1" at 62.738,53.086 h1.52 r270
J4: Top Overlay "1" at 40.894,53.086 h1.52 r270
J5: Top Overlay "1" at 0.457,44.651 h1 r359.32
J6: Top Overlay "1" at 3.239,36.227 h1 r89.32
JP1: Top Overlay "1" at 67.854,46.254 h1.52
JP2: Top Overlay "1" at 4.111,36.403 h1 r269.32
JP3: Top Overlay "1" at 12.314,43.838 h1.52
JP4: Top Overlay "1" at 12.382,6.514 h1.52 r90